# Altium PCB yedek aviyonik.PcbDoc
Units mm, origin at the board's own origin, x right, y up, seen from the top; angles counter-clockwise.
Board outline 90 x 90 mm, 2 copper layers (Top Layer, Bottom Layer); 11 components, 18 nets, 79 pads, 0 vias.
Unrouted connection lines stored in the file: 7.
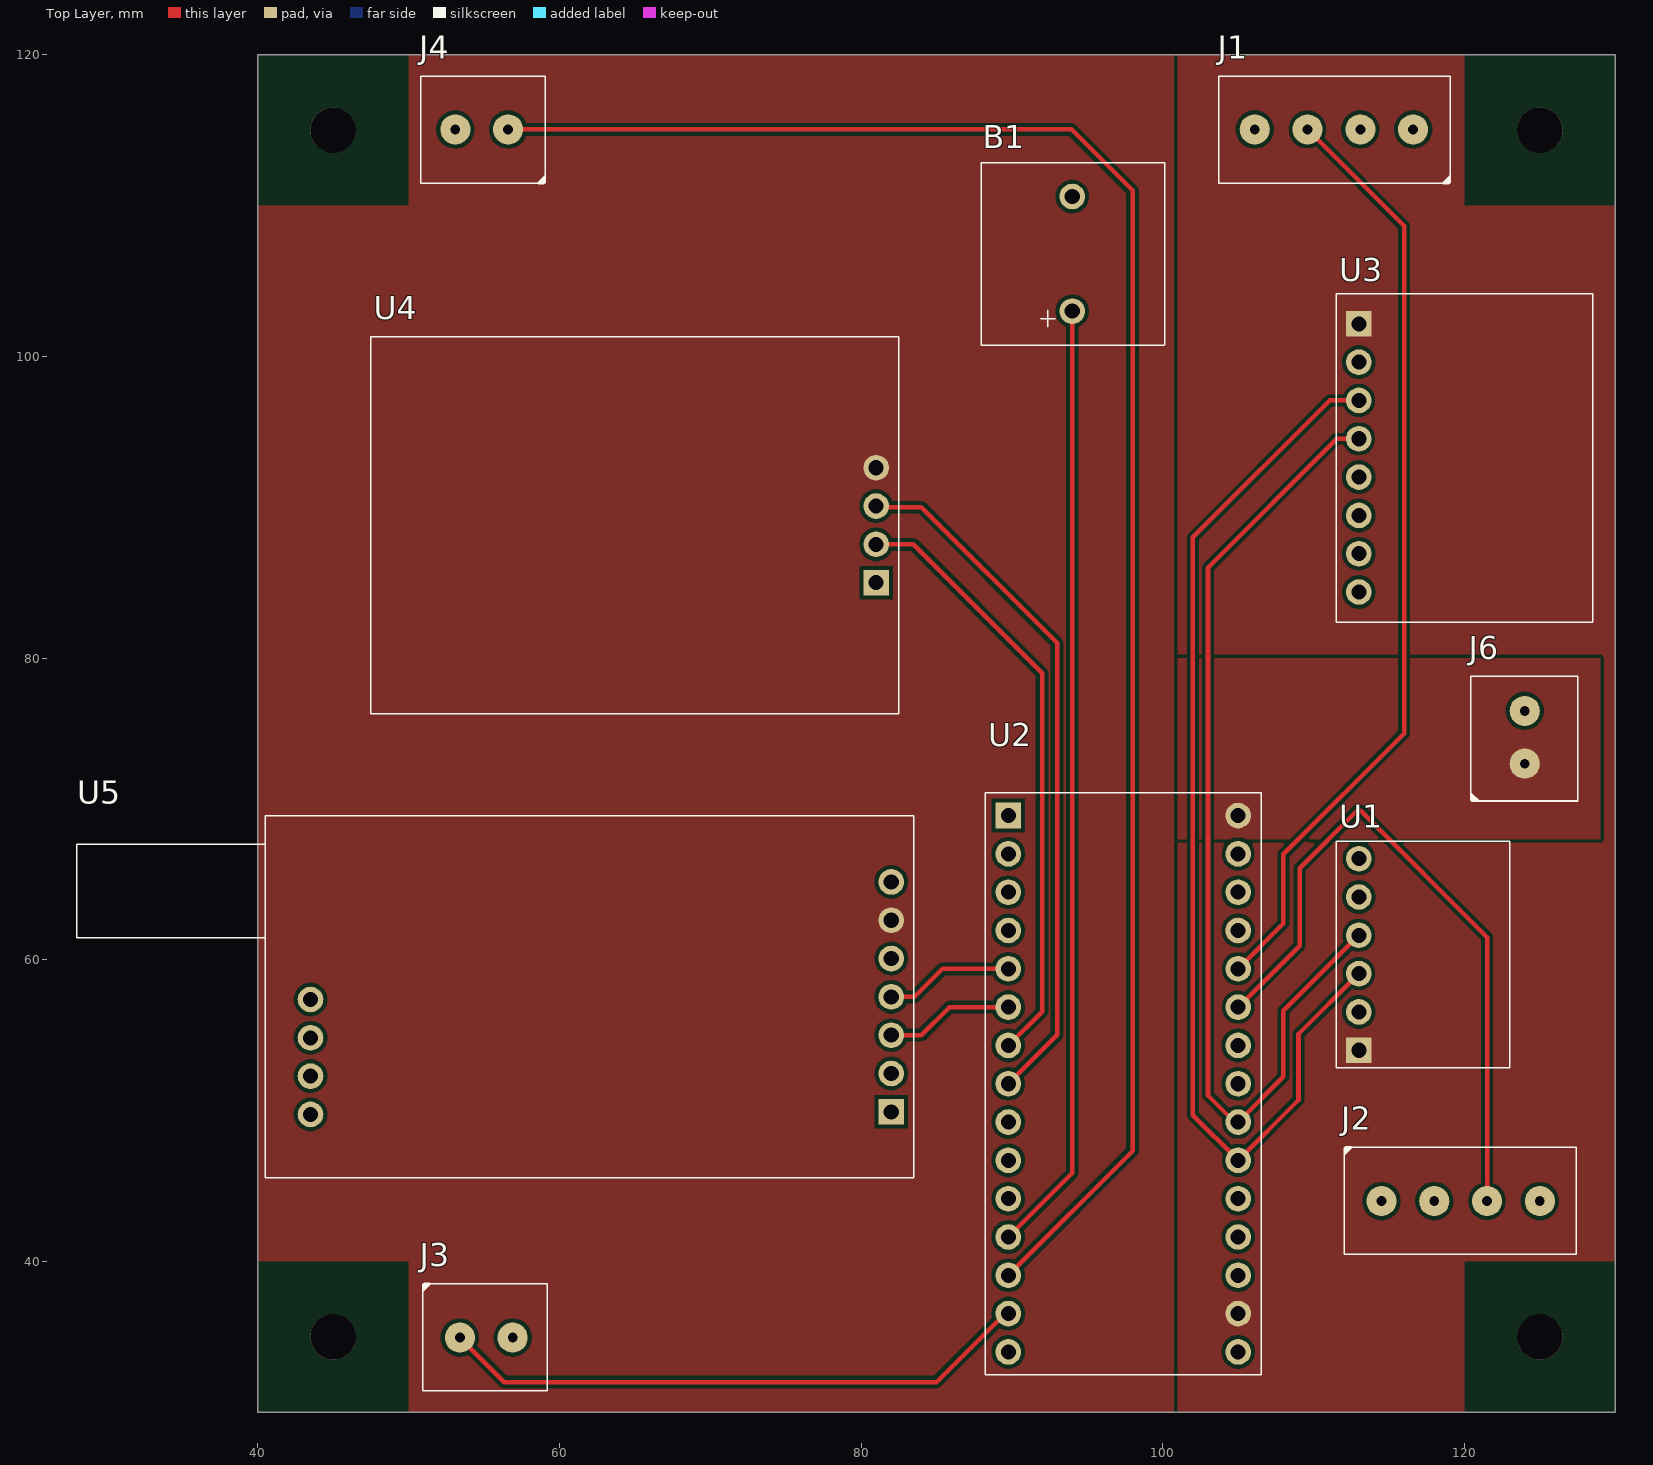
[diagram p0: Top Layer view]
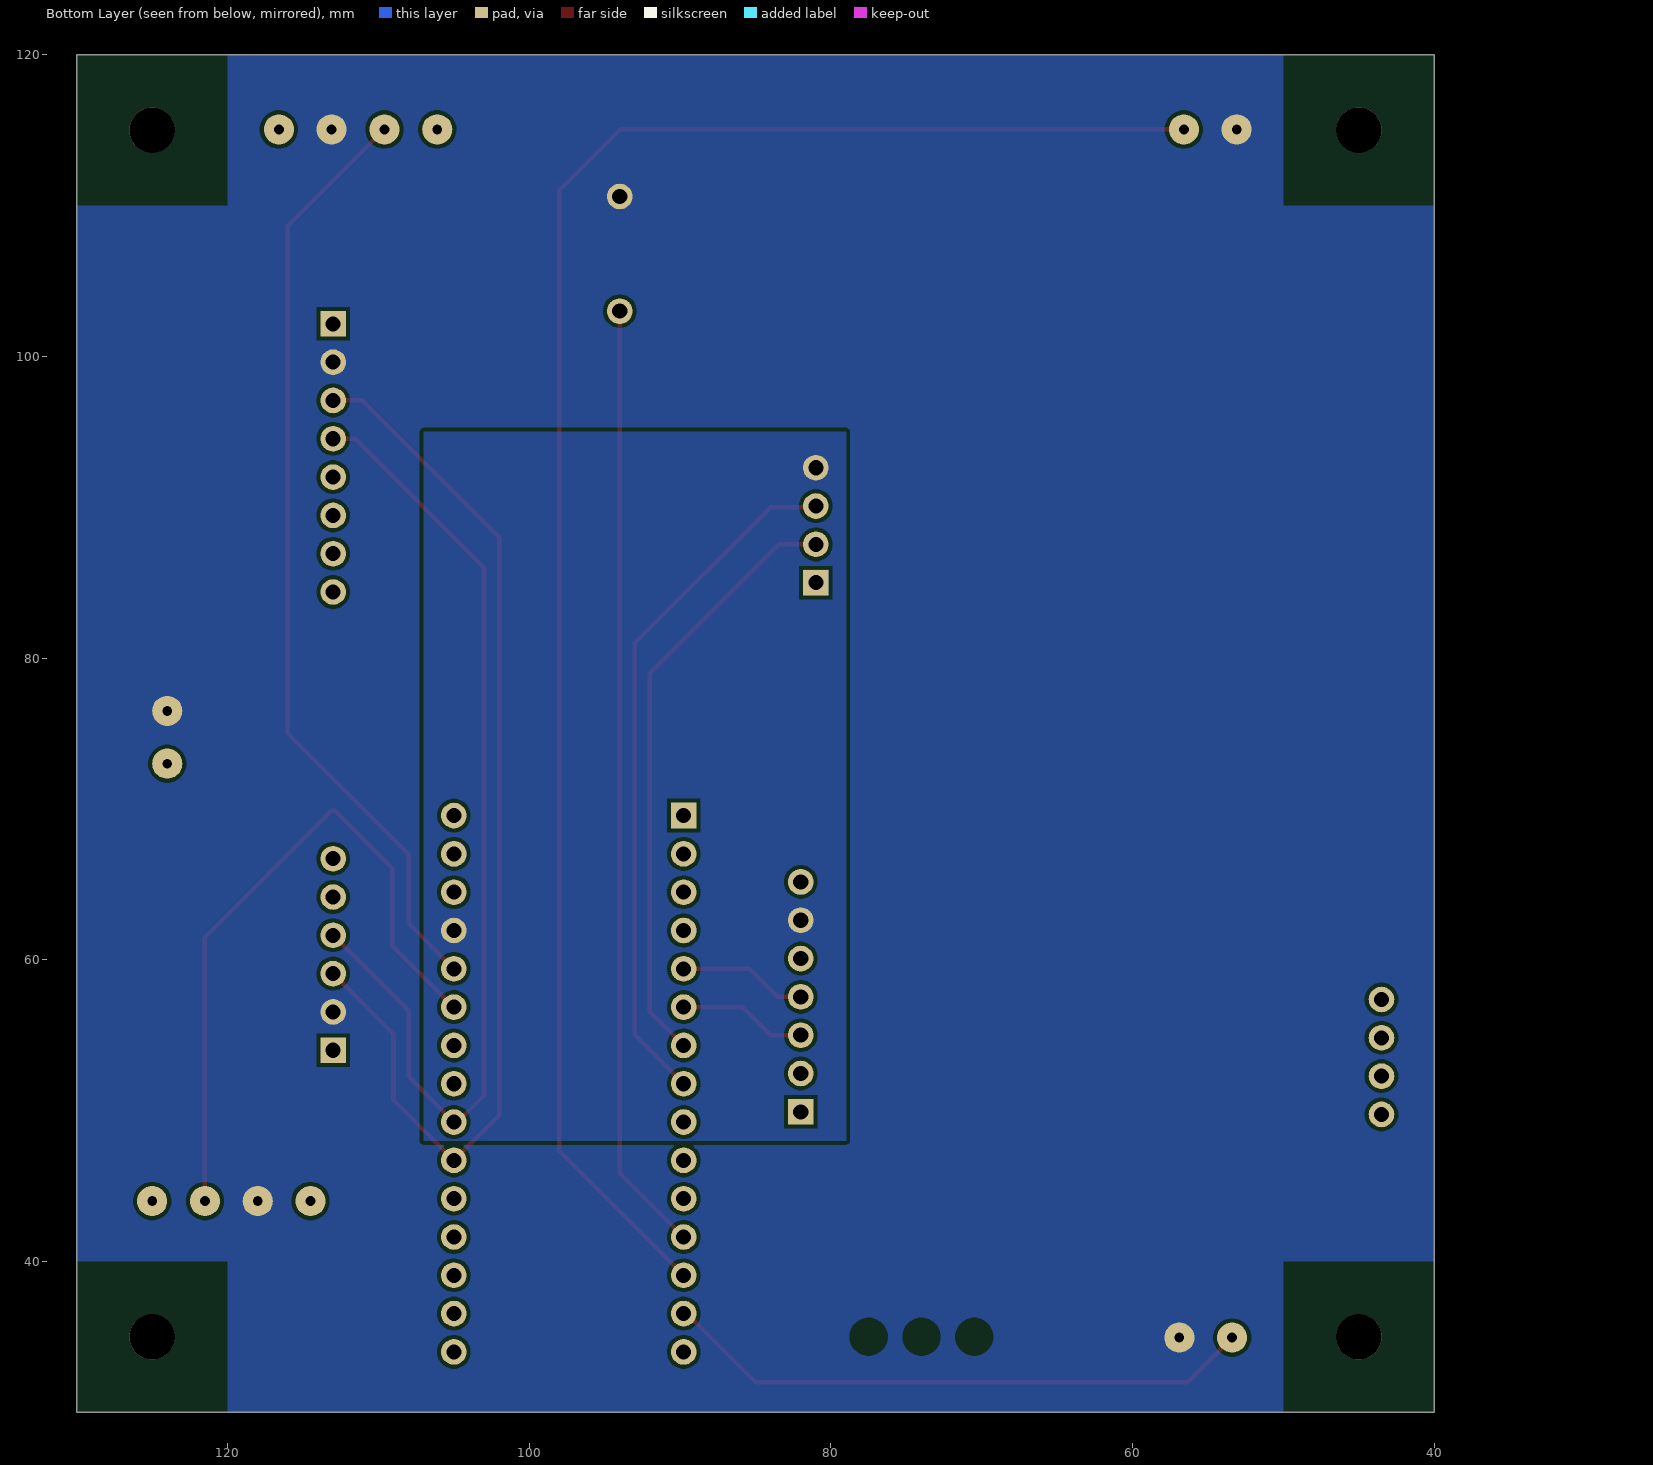
[diagram p1: Bottom Layer view, seen from below]

## Layer stack, top to bottom
Top Solder: solder mask 0.0102, Solder Resist, Dk 3.5
Top Layer: signal copper 0.0356
Dielectric 1: dielectric 0.32, FR-4, Dk 4.8
Bottom Layer: signal copper 0.0356
Bottom Solder: solder mask 0.0102, Solder Resist, Dk 3.5

## Board outline
40,30 130,30 130,120 40,120

## Design rules (kind name [scope] priority, off if disabled: settings)
Clearance [All] p1: gap=0.254 ignorepadtopadclearanceinfootprint=FALSE except(0: Arc-Hole Track-Hole SMDPad-Hole THPad-Hole Via-Hole Fill-Hole Poly-Hole Region-Hole Text-Hole)
PolygonConnect [All] p1: connectstyle=Direct reliefconductorwidth=0.254 reliefentries=4 polygonreliefangle="90 Angle" airgapwidth=0.254
RoomDefinition ana [InComponentClass('ana')] p1: confinementstyle=ConfineOut formatcopy=TRUE lockcomponents=FALSE outline 134,32 290,32 290,92 134,92
RoutingVias [All] p1: holewidth=0.711 width=1.27 viastyle="Through Hole" minholewidth=0.711 minwidth=1.27 maxholewidth=0.711 maxwidth=1.27
SolderMaskExpansion [All] p1: expansion=0.102 istentingtop=FALSE
Width [All] p1: maxlimit=1 minlimit=0.254 preferedwidth=0.3 minimp=50.000000 maximp=50.000000 favimp=50.000000
30 further rules are at their usual default settings.

## Components (designator, comment, footprint, x,y, rotation, side; value= is the part's Value field where it differs from the comment)
B1 "Buzzer 5v" "Buzzer 5v" 94,103 r90 top
J1 "Klemens 1x4 3.5mm" "Klemens 1x4 - 3.5mm" 115,115 r180 top
J2 "Klemens 1x4 3.5mm" "Klemens 1x4 - 3.5mm" 116.1,44.05 r0 top
J3 "Klemens 1x2 3.5mm" "Klemens 1x2 - 3.5mm" 55,35 r0 top
J4 "Klemens 1x2 3.5mm" "Klemens 1x2 - 3.5mm" 55,115 r180 top
J6 "Klemens 1x2 3.5mm" "Klemens 1x2 - 3.5mm" 123.95,74.6 r90 top
U1 "BMP280" BMP280 113,54 r180 top
U2 "NANO" nano 89.76,69.56 r0 top
U3 "MPU6050" MPU6050 113,102.16 r0 top
U4 "GY-NEO6MV2" GY-NEO6MV2 81,85 r90 top
U5 "E32-868T30D" E32-868T30D 82,49.92 r270 top

## Footprints (in the part's own frame and the unit in brackets; to place one, negate y for a bottom-side part, rotate by r counter-clockwise, add the part's x,y. Pads: shape width x height; smd on the part's side, far side on the other; paste and mask are expansions set on the pad)
BMP280 [mm]
  rect 1.7x1.7 hole 1: 1(0,0)
  round 1.7 hole 1: 2(0,-2.54) 3(0,-5.08) 4(0,-7.62) 5(0,-10.16) 6(0,-12.7)
  silkscreen extent -10,-13.85 1.5,1.15, body extent -9.48,-13.99 1.53,1.25, height 5.67
"Buzzer 5v" [mm]
  round 1.7 hole 1 mask+0.05: 1(0,0) 2(7.6,0)
  silkscreen extent -2.27,-6.12 9.85,6.02, body extent -2.2,-6.05 9.8,5.95, height 9.5
E32-868T30D [mm]
  rect 1.7x1.7 hole 1: 1(0,0)
  round 1.7 hole 1: 2(-2.54,0) 3(-5.08,0) 4(-7.62,0) 5(-10.16,0) 6(-12.7,0) 7(-15.24,0) 8(-7.445,-38.5) 9(-4.905,-38.5) 10(-2.365,-38.5) 11(0.175,-38.5)
  silkscreen extent -19.63,-54 4.38,1.5, body extent -19.63,-54.2 4.38,1.5, height 7.57
GY-NEO6MV2 [mm]
  rect 1.7x1.7 hole 1: 1(0,0)
  round 1.7 hole 1: 2(2.54,0) 3(5.08,0) 4(7.62,0)
  silkscreen extent -8.7,-1.5 16.3,33.5, body extent -9.5,-1.88 16.7,33.53, height 6.07
"Klemens 1x2 - 3.5mm" [mm]
  round 2 hole 0.65: 1(-1.6,-0.05) 2(1.9,-0.05)
  silkscreen extent -4.11,-3.58 4.2,3.58, body extent -3.9,-3.45 4.09,3.55, height 8.9
"Klemens 1x4 - 3.5mm" [mm]
  round 2 hole 0.65: 1(-1.6,-0.05) 2(1.9,-0.05) 3(5.4,-0.05) 4(8.9,-0.05)
  silkscreen extent -4.11,-3.58 11.3,3.58, body extent -3.9,-3.45 11.09,3.55, height 8.9
MPU6050 [mm]
  rect 1.7x1.7 hole 1: 1(0,0)
  round 1.7 hole 1: 2(0,-2.54) 3(0,-5.08) 4(0,-7.62) 5(0,-10.16) 6(0,-12.7) 7(0,-15.24) 8(0,-17.78)
  silkscreen extent -1.5,-19.77 15.5,2, body extent -1.28,-19.33 14.6,1.78, height 5.74
nano [mm]
  rect 1.7x1.7 hole 1: 1(0,0)
  round 1.7 hole 1: 2(0,-2.54) 3(0,-5.08) 4(0,-7.62) 5(0,-10.16) 6(0,-12.7) 7(0,-15.24) 8(0,-17.78) 9(0,-20.32) 10(0,-22.86) 11(0,-25.4) 12(0,-27.94) 13(0,-30.48) 14(0,-33.02) 15(0,-35.56) 16(15.24,-35.56) 17(15.24,-33.02) 18(15.24,-30.48) 19(15.24,-27.94) 20(15.24,-25.4) 21(15.24,-22.86) 22(15.24,-20.32) 23(15.24,-17.78) 24(15.24,-15.24) 25(15.24,-12.7) 26(15.24,-10.16) 27(15.24,-7.62) 28(15.24,-5.08) 29(15.24,-2.54) 30(15.24,0)
  silkscreen extent -1.52,-37.08 16.76,1.52, body extent -1.4,-41.15 16.6,3.85, height 12.25

## Part data
J1 J2: "Klemens 1x2 3.5mm"

## Free pads (board coordinates)
  round 3 hole 3: 1(45,115) 2(125,115) 3(125,35) 4(45,35)

## Nets (pads, with @x,y where several pads share a name; then routed paths per layer and width w, separated by ;. In a path a pad name is that pad's centre, name@x,y a point inside that pad or via, vN(x,y) a via of type N, cw(c..) or ccw(c..) an arc to the next point about the centre after c; other vN are vias at no path point)
GND: B1.2 J1.2 J2.2 J3.2 J4.2 J6.2 U1.2 U2.4 U2.29 U3.2 U4.1 U5.7
NetB1_1: B1.1 U2.12 | length 63.1
  Top Layer w0.3: U2.12 94,45.86 B1.1
NetJ1_1: J1.1 J2.1 U2.27 U4.4 U5.6
NetJ1_3: J1.3 U2.26 | length 62.9
  Top Layer w0.3: U2.26 108,62.4 108,67 116,75 116,108.65 J1.3
NetJ2_3: J2.3 U2.25 | length 45.9
  Top Layer w0.3: U2.25 109.072,60.932 109.072,66.072 112.876,69.876 113.124,69.876 121.5,61.5 J2.3
NetJ3_1: J3.1 U2.14 | length 39.5
  Top Layer w0.3: J3.1 56.35,32 85,32 89.54,36.54 U2.14
NetJ4_1: J4.1 U2.13 | length 118.4
  Top Layer w0.3: J4.1 93.95,115.05 98,111 98,47.32 U2.13
NetJ5_1: U2.9
NetJ5_2: U2.10
NetJ5_3: U2.11
NetJ6_1: J6.1 U2.30
NetU1_1: U1.1 U2.17 U3.1
NetU1_3: U1.3 U2.21 U3.3 | length 73
  Top Layer w0.3: U1.3 109,55.08 109,50.7 U2.21 102,49.7 102,88 111.08,97.08 U3.3
NetU1_4: U1.4 U2.22 U3.4 | length 67
  Top Layer w0.3: U1.4 108,56.62 108,52.24 U2.22 104.76,49.24 103,51 103,86 111.54,94.54 U3.4
NetU2_5: U2.5 U5.4 | length 8.5
  Top Layer w0.3: U5.4 83.54,57.54 85.4,59.4 U2.5
NetU2_6: U2.6 U5.3 | length 8.5
  Top Layer w0.3: U5.3 84,55 85.86,56.86 U2.6
NetU2_7: U2.7 U4.2 | length 40.1
  Top Layer w0.3: U4.2 83.46,87.54 92,79 92,56.56 U2.7
NetU2_8: U2.8 U4.3 | length 46.3
  Top Layer w0.3: U4.3 81.08,90 84,90 93,81 93,55.02 U2.8
pads on no net: J1.4 J2.4 U1.5 U1.6 U2.1 U2.2 U2.3 U2.15 U2.16 U2.18 U2.19 U2.20 U2.23 U2.24 U2.28 U3.5 U3.6 U3.7 U3.8 U5.1 U5.2 U5.5 U5.8 U5.9 U5.10 U5.11

## Polygon pours and split planes (outlines as drawn)
NetJ1_1 on Top Layer "NETJ1_1_L01_P003" (solid, pour order 3): 107,30 107,120 50,120 50,110 40,110 40,40 50,40 50,30
NetU1_1 on Top Layer "NETU1_1_L01_P002" (solid, pour order 2): 120,30 120,40 130,40 130,110 120,110 120,120 101,120 101,30
NetJ6_1 on Top Layer "NETJ6_1_L01_P001" (solid, pour order 1): 129,68 101,68 101,80 129,80
GND on Bottom Layer "GND_L02_P005" (solid, pour order 5): 120,30 120,40 130,40 130,110 120,110 120,120 50,120 50,110 40,110 40,40 50,40 50,30
NetJ1_1 on Bottom Layer "NETJ1_1_L02_P004" (solid, pour order 4): 79,48 79,95 107,95 107,48